# Altium PCB BW1097.PcbDoc (part 6 of 7) (continued)
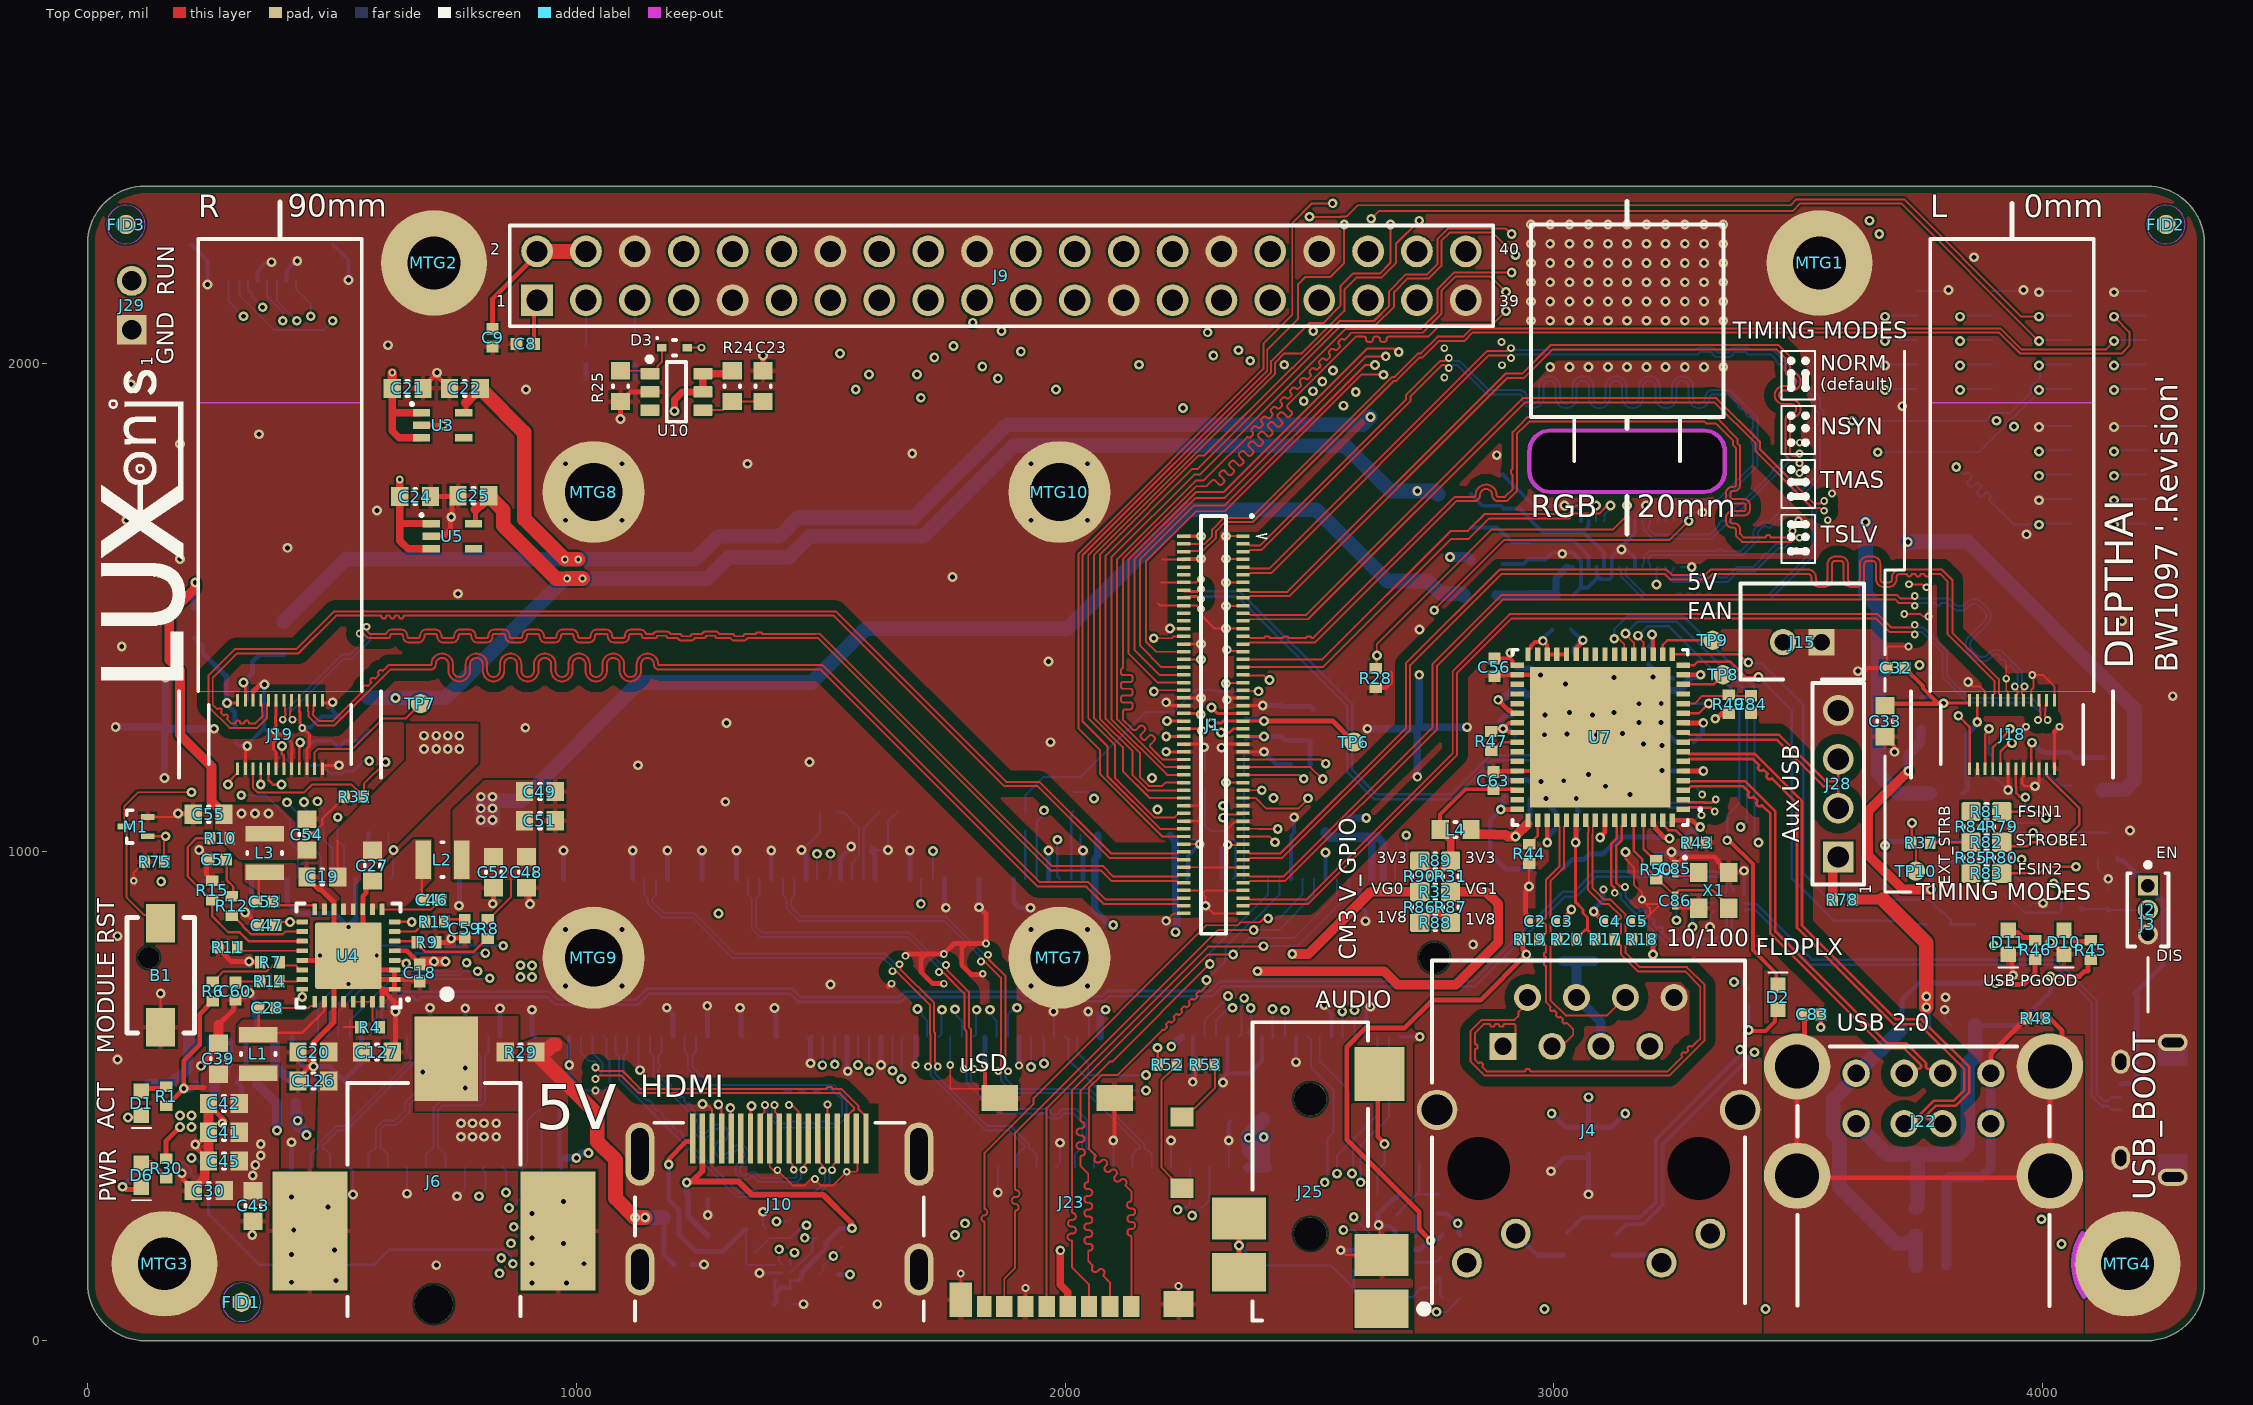
[diagram p0: Top Copper view]
## Nets (pads, with @x,y where several pads share a name; then routed paths per layer and width w, separated by ;. In a path a pad name is that pad's centre, name@x,y a point inside that pad or via, vN(x,y) a via of type N, cw(c..) or ccw(c..) an arc to the next point about the centre after c; other vN are vias at no path point) (continued)
  Bottom Copper w4: v1(4145.67,2044.88) 4148.03,2047.24 J5.6@4210.63,2047.24
UART_TX: J1.6 J5.8 | length 2291.8
  Top Copper w4: J1.6@2241.69,1614.27 2242.99,1615.57 2281.46,1615.57 2308.71,1642.83 2308.71,1656.12 2327.86,1675.26 2384.25,1675.26 2672.72,1963.74 2677.67,1963.74 2725.57,2011.64 2731.11,2011.64 2764.95,2045.48 2817.13,2045.48 2834.27,2062.61 3910.32,2062.61 3953.38,2019.56 4161.29,2019.56 4177.17,2035.43 4177.17,2063.39 v1(4145.67,2094.88)
  Bottom Copper w4: v1(4145.67,2094.88) 4148.03,2097.24 J5.8@4210.63,2097.24
USB3_LED: D10.2 R45.1 | length 62.5
  Top Copper w10: D10.2@4043.31,839.57 4065.95,816.93 R45.1@4096.46,816.93
USB4_LED: D11.2 R46.1 | length 67.8
  Top Copper w10: D11.2@3929.13,844.49 3938.11,835.51 3948.14,835.51 3958.67,824.99 3980.64,824.99 R46.1@3986.46,819.17
USB_D_N: J24.167 U6.2 | length 2982.8
  Bottom Copper w5.27: J24.167@583.79,654.76 590.47,661.44 590.47,676.59 627.35,713.47 945.47,713.47 961.38,697.56 1122.19,697.56 1144.4,719.77 1442.34,719.77 1458.92,703.2 1659.77,703.2 1670.04,713.47 1907.25,713.47 1916,704.72 2075.65,704.72 2086.3,715.37 2297.49,715.37 2317.69,735.57 2834.86,735.57 3017.5,918.2 3040.52,918.2 3082.14,959.82 3347.91,959.82 3362.79,944.94 3362.79,928.57 3366.51,924.86 U6.2@3366.51,918.2
USB_D_P: J24.165 U6.1 | length 3010.2
  Bottom Copper w5.27: J24.165@607.42,624.25 607.42,654.76 600.74,661.44 600.74,672.33 631.61,703.2 650.03,703.2 656.17,703.2 668.44,703.2 ccw(c674.44,703.2) 674.44,697.2 674.71,697.2 ccw(c674.71,703.2) 680.71,703.2 688.98,703.2 941.22,703.2 957.13,687.29 1126.44,687.29 1148.66,709.5 1438.09,709.5 1454.66,692.93 1664.03,692.93 1674.3,703.2 1903,703.2 1911.75,694.45 2079.9,694.45 2090.55,705.1 2301.75,705.1 2321.94,725.3 2839.12,725.3 3021.75,907.93 3044.77,907.93 3086.4,949.55 3181.1,949.55 3204.37,949.55 ccw(c3209.37,949.55) 3209.37,944.55 3214.64,944.55 ccw(c3214.64,949.55) 3219.64,949.55 3234.91,949.55 ccw(c3239.91,949.55) 3239.91,944.55 3245.18,944.55 ccw(c3245.18,949.55) 3250.18,949.55 3265.45,949.55 ccw(c3270.45,949.55) 3270.45,944.55 3275.72,944.55 ccw(c3275.72,949.55) 3280.72,949.55 3295.99,949.55 ccw(c3300.99,949.55) 3300.99,944.55 3306.26,944.55 ccw(c3306.26,949.55) 3311.26,949.55 3318.9,949.55 3343.65,949.55 3352.52,940.68 3352.52,917.99 U6.1@3350.76,916.23
USB_GND: C83.2 J22.Shell R48.2 | length 1307.7
  Top Copper w10: J22.Shell@3497.24,337.4 3507.04,347.2 3520.87,333.38 J22.Shell@4018.59,333.38 ; C83.2@3510.32,667.53 3512.85,665 3512.85,602.62 3497.24,587.01 J22.Shell@3497.24,561.02 3497.24,361.42 J22.Shell@3520.87,337.79 ; R48.2@4006.15,659.82 4009.82,663.49 4039.41,633.9 4039.41,594.47 4014.57,569.62 J22.Shell@4014.57,561.02 J22.Shell@4014.57,337.4 J22.Shell@4018.59,333.38 ; J22.Shell@4018.59,333.38 4039.09,312.88 4039.09,333.38 J22.Shell@4018.59,333.38
USB_OTGID: J24.168 R64.2 | length 95.3
  Bottom Copper w10: J24.168@571.98,944.72 574.26,947 574.26,1035.82 R64.2@576.53,1038.1
USB_RX_N: J1.12
USB_RX_P: J1.10
USB_TX_N: J1.24
USB_TX_P: J1.22
USBB_D_N: J21.2 U6.4 | length 1053.5
  Bottom Copper w5.27: U6.4@3388.89,895.82 3390.69,894.03 3399.48,894.03 3400.43,893.08 3414.32,893.08 3527.83,779.58 4026.71,779.58 4110.37,695.91 4110.37,504.97 4124.97,490.37 4133.09,490.37 4140.75,498.03 J21.2@4159.45,498.03
USBB_D_P: J21.3 U6.5 | length 1053.5
  Bottom Copper w5.27: U6.5@3388.89,880.07 3390.69,881.87 3399.48,881.87 3400.43,882.81 3410.06,882.81 3523.57,769.3 4022.45,769.3 4100.1,691.66 4100.1,500.71 4120.71,480.1 4133.09,480.1 4140.75,472.44 J21.3@4159.45,472.44
USBD0_N: U6.6 U7.58 | length 493.1
  Top Copper w5.27: U7.58@3124.02,1064.79 3124.02,1056.72 3128.72,1052.01 3128.72,1028.15 3116.71,1016.14 3116.71,933.55 3123.19,927.07 3123.19,917.35 v2(3124.31,916.23)
  Bottom Copper w5.27: v2(3124.31,916.23) 3125.84,914.7 3134.73,914.7 3136.36,913.06 3136.36,904.86 3230.15,811.07 3334.93,811.07 3363.77,839.92 3363.77,861.9 3364.72,862.85 3364.72,871.64 U6.6@3366.51,873.44
USBD0_P: U6.7 U7.59 | length 499
  Top Copper w5.27: U7.59@3143.7,1064.79 3143.7,1056.72 3138.99,1052.01 3138.99,1023.9 3126.98,1011.88 3126.98,937.81 3135.1,929.68 3143.98,929.68 v2(3145.52,928.15)
  Bottom Copper w5.27: v2(3145.52,928.15) 3146.64,927.03 3146.64,909.12 3172.67,883.08 3176.4,879.36 ccw(c3177.01,879.97) 3177.62,879.36 cw(c3181.96,875.02) 3186.3,879.36 cw(c3181.96,875.02) 3186.3,870.68 ccw(c3186.91,870.07) 3186.3,869.46 3193.75,862 ccw(c3194.36,862.62) 3194.97,862 cw(c3199.31,857.67) 3203.65,862 cw(c3199.31,857.67) 3203.65,853.33 ccw(c3204.26,852.72) 3203.65,852.1 3211.1,844.65 ccw(c3211.71,845.26) 3212.33,844.65 cw(c3216.66,840.31) 3221,844.65 cw(c3216.66,840.31) 3221,835.97 ccw(c3221.61,835.36) 3221,834.75 3229.07,826.69 3234.41,821.34 3240.54,821.34 3252.82,821.34 3264.22,821.34 ccw(c3264.22,822.21) 3265.09,822.21 cw(c3271.22,822.21) 3271.22,828.34 cw(c3271.22,822.21) 3277.36,822.21 ccw(c3278.22,822.21) 3278.22,821.34 3288.76,821.34 ccw(c3288.76,822.21) 3289.63,822.21 cw(c3295.76,822.21) 3295.76,828.34 cw(c3295.76,822.21) 3301.9,822.21 ccw(c3302.76,822.21) 3302.76,821.34 3330.67,821.34 3353.5,844.17 3353.5,861.9 3352.56,862.85 3352.56,871.64 U6.7@3350.76,873.44
USBD2_N: J1.18 U7.1 | length 1490
  Top Copper w5.27: J1.18@2241.69,1519.79 2243.28,1521.38 2255.71,1521.38 2256.75,1522.42 2270.05,1522.42 2274.81,1517.66 v2(2277.71,1517.66) ; U7.1@3264.17,1086.83 3272.24,1086.83 3276.95,1091.54 3302.66,1091.54 3304.16,1090.04 3320.49,1090.04 3327.66,1082.87 v2(3328.94,1082.87)
  Bottom Copper w5.27: v2(2277.71,1517.66) 2280.62,1517.66 2285.48,1522.52 2352.69,1522.52 2577.07,1298.15 2577.07,1162.95 2632.57,1107.45 2793.73,1107.45 2873.43,1187.15 3137.09,1187.15 3234.2,1090.04 3320.49,1090.04 3327.66,1082.87 v2(3328.94,1082.87)
USBD2_P: J1.16 U7.2 | length 1494.2
  Top Copper w5.27: J1.16@2241.69,1535.53 2243.49,1533.74 2255.71,1533.74 2256.75,1532.69 2269.84,1532.69 2274.81,1537.66 v2(2277.71,1537.66) ; U7.2@3264.17,1106.52 3272.24,1106.52 3276.95,1101.81 3306.92,1101.81 3308.42,1100.31 3322.5,1100.31 3329.67,1107.49 v2(3330.95,1107.49)
  Bottom Copper w5.27: v2(2277.71,1537.66) 2280.62,1537.66 2285.48,1532.8 2356.95,1532.8 2587.34,1302.4 2587.34,1167.21 2636.83,1117.72 2789.48,1117.72 2869.18,1197.42 3141.35,1197.42 3238.45,1100.31 3322.5,1100.31 3329.67,1107.49 v2(3330.95,1107.49)
USBD3_N: J22.2 U7.3 | length 929.9
  Top Copper w5.27: U7.3@3264.17,1126.2 3272.97,1126.2 3281.37,1134.61 3346.46,1134.61 3352.59,1134.61 3364.86,1134.61 3377.13,1134.61 3386.2,1134.61 3390.54,1130.27 3398.61,1122.2 cw(c3398,1121.59) 3398.61,1120.98 ccw(c3402.95,1116.64) 3398.61,1112.3 ccw(c3402.95,1116.64) 3407.28,1112.3 cw(c3407.9,1111.69) 3408.51,1112.3 3415.96,1104.85 cw(c3415.35,1104.24) 3415.96,1103.63 ccw(c3420.3,1099.29) 3415.96,1094.95 ccw(c3420.3,1099.29) 3424.64,1094.95 cw(c3425.25,1094.34) 3425.86,1094.95 3442.62,1078.19 3442.62,832.78 3677.11,598.29 3716.2,598.29 3750.77,563.72 3750.77,559.36 3747.68,556.27 3725.56,556.27 J22.2@3716.54,547.24
USBD3_P: J22.3 U7.4 | length 929.2
  Top Copper w5.27: U7.4@3264.17,1145.89 3272.24,1145.89 3274.82,1143.31 3276.39,1144.88 3390.46,1144.88 3452.89,1082.44 3452.89,837.03 3681.36,608.56 3720.46,608.56 3761.04,567.98 3761.04,559.36 3764.13,556.27 3786.25,556.27 J22.3@3795.28,547.24
USBD4_N: J22.6 U7.6 | length 1204.2
  Top Copper w5.27: U7.6@3264.17,1185.26 3272.24,1185.26 3276.95,1189.97 3370.99,1189.97 3377.12,1189.97 3389.39,1189.97 3401.66,1189.97 3406.79,1189.97 3411.13,1185.63 3419.19,1177.56 cw(c3418.58,1176.95) 3419.19,1176.34 ccw(c3423.53,1172) 3419.19,1167.66 ccw(c3423.53,1172) 3427.87,1167.66 cw(c3428.48,1167.05) 3429.09,1167.66 3436.55,1160.21 cw(c3435.94,1159.6) 3436.55,1158.99 ccw(c3440.89,1154.65) 3436.55,1150.31 ccw(c3440.89,1154.65) 3445.22,1150.31 cw(c3445.84,1149.7) 3446.45,1150.31 3489.32,1107.43 3497.11,1099.65 3497.11,845.22 3695.12,647.21 3747.71,647.21 3839.59,555.33 3839.59,513.01 3817.89,491.31 3777.25,491.31 3750.77,464.83 3750.77,456.21 3747.68,453.12 3725.56,453.12 J22.6@3716.54,444.09
USBD4_P: J22.7 U7.7 | length 1205.3
  Top Copper w5.27: U7.7@3264.17,1204.94 3272.24,1204.94 3276.95,1200.24 3411.04,1200.24 3507.38,1103.9 3507.38,849.47 3699.37,657.48 3751.97,657.48 3849.86,559.58 3849.86,508.76 3822.14,481.03 3781.5,481.03 3761.04,460.57 3761.04,456.21 3764.13,453.12 3786.25,453.12 J22.7@3795.28,444.09
USBD5_N: J28.2 U7.8 | length 401.7
  Top Copper w5.27: U7.8@3264.17,1224.63 3272.24,1224.63 3276.95,1229.34 3456.15,1229.34 3551.2,1134.29 3578.44,1134.29 3581.53,1131.2 J28.2@3581.53,1089.42
USBD5_P: J28.3 U7.9 | length 401.7
  Top Copper w5.27: U7.9@3264.17,1244.31 3272.24,1244.31 3276.95,1239.61 3460.41,1239.61 3555.46,1144.56 3578.44,1144.56 3581.53,1147.65 J28.3@3581.53,1189.42
VBUS: C77.2 C78.2 J1.53 R41.1 R42.2 | length 231.7
  Top Copper w6: J1.53@2364.92,1236.32 v1(2406.64,1236.32)
  Bottom Copper w10: R41.1@2370.08,1232.28 2372.2,1234.41 2404.73,1234.41 v1(2406.64,1236.32) ; v1@2406.85,1234.41 2408.77,1236.32 2442.96,1236.32 2442.96,1234.2 C78.2@2448.82,1228.35 C77.2@2501.12,1228.35 ; R42.2@2502.1,1179.07 2501.12,1180.05 C77.2@2501.12,1228.35 ; C77.2@2502.87,1226.6 C77.2@2501.12,1228.35
VBUS_USB3: C79.1 C80.1 J22.1 R46.2 U8.8 | length 1032.9
  Top Copper w10: v1(3903.53,731.47) 3928.6,731.47 3931.53,728.54 3960.72,728.54 3984.25,752.07 R46.2@3984.25,779.8
  Bottom Copper w10: U8.8@3711.66,644.98 3711.66,696.89 3746.24,731.47 v1(3903.53,731.47)
  Bottom Copper w30: U8.8@3707.99,635.56 3619.67,547.24 J22.1@3618.11,547.24 3618.11,540.23 3571.16,493.28 3571.16,424.65 3584.16,411.65 3584.16,314.09 3699.01,199.24 3724.83,199.24 3740.16,214.57 C80.1@3740.16,212.6 C79.1@3740.16,153.54
VBUS_USB4: C81.1 C82.1 J22.5 R45.2 U8.5 | length 943.3
  Top Copper w10: v1(4015.57,745.23) 4074.69,745.23 4085.36,755.91 4092.6,755.91 4092.6,773.7 R45.2@4098.43,779.53
  Bottom Copper w10: U8.5@3861.66,644.98 3946.3,644.98 4015.57,714.24 v1(4015.57,745.23)
  Bottom Copper w30: J22.5@3618.11,444.09 3680.32,381.89 3744.49,381.89 ; C81.1@3740.16,271.65 3742.87,274.37 3742.87,290.56 3744.49,292.17 3744.49,381.89 ; 3845.87,398.62 3829.13,381.89 3744.49,381.89 ; 3846.75,401.38 3846.75,566.69 3861.66,581.61 U8.5@3861.66,644.98
VBUSB: J2.1 J21.1 Q6.1 R39.2 | length 564.6
  Bottom Copper w10: Q6.1@4152.64,987.4 4152.64,985.23 4155.51,982.36 4163.83,982.36 J2.1@4214.99,931.2 4245.5,900.69 4245.5,768.05 4187.51,710.06 4189.47,710.06 4195.3,704.23 R39.2@4195.3,702.26 4192.31,699.28 4192.31,532.28 4186.46,526.42 4162.25,526.42 J21.1@4159.45,523.62
VC_TCK: J12.8 J24.180 | length 1429
  Signal Layer 3 w4: v1(314.42,1115.83) 314.42,1200.94 302.9,1212.46 302.9,2012.69 392.82,2102.61 434.78,2102.61 440.69,2096.7 455.86,2096.7 v1(456.69,2095.87)
  Bottom Copper w4: v1(314.42,1115.83) 314.74,1115.83 314.89,1115.68 364.28,1115.68 413.95,1066.01 413.95,1019.84 430.25,1003.54 J24.180@430.25,944.72 ; J12.8@426.57,2168.76 426.57,2151.04 456.69,2120.92 v1(456.69,2095.87)
VC_TDI: J12.3 J24.174 | length 1357.6
  Signal Layer 3 w4: v1(358.27,2114.17) 461.01,2114.17 472.69,2102.49 472.69,1109.94 470.61,1107.86 v1(470.61,1103.46)
  Bottom Copper w4: J12.3@328.14,2168.76 328.14,2151.04 335.92,2143.26 335.92,2136.52 v1(358.27,2114.17) ; v1(470.61,1103.46) 470.61,1099.3 483.23,1086.68 483.23,1025.03 501.12,1007.15 J24.174@501.12,944.72
VC_TDO: J12.5 J24.178 | length 1285.1
  Signal Layer 3 w4: v1(399.45,2086.61) 389.45,2076.61 389.45,1266.3 397.51,1258.24 397.51,1239.03 381.64,1223.16 381.64,1192.67 412.66,1161.65 412.66,1131.17 407.96,1126.46 v1(407.96,1101.38)
  Bottom Copper w4: J12.5@367.51,2168.76 367.51,2135.94 399.45,2104 v1(399.45,2086.61) ; v1(407.96,1101.38) 429.32,1080.01 429.32,1032.52 448.39,1013.45 448.39,950.2 J24.178@453.87,944.72
VC_TMS: J12.6 J24.176 | length 1283.6
  Signal Layer 3 w4: v1(428.15,2086.61) 429.45,2085.31 429.45,1266.3 425.26,1262.12 425.26,1247.79 433.46,1239.59 441.62,1239.59 451.01,1230.21 451.01,1108.59 448.18,1105.76 447.6,1105.76 443.06,1101.23 v1(443.06,1102.09)
  Bottom Copper w4: J12.6@387.2,2168.76 387.2,2127.56 v1(428.15,2086.61) ; v1(443.06,1102.09) 437.01,1096.04 464.82,1068.23 464.82,1024.87 464.57,1024.62 464.57,1003.54 475.23,992.88 475.23,992.17 477.49,989.91 J24.176@477.49,944.72
VC_TRST_N: J12.2 J24.172 | length 1425.6
  Signal Layer 3 w4: v1(501.49,2086.61) 487.49,2072.61 487.49,1314.68 485.49,1312.68 485.49,1299.43 487.49,1297.43 487.49,1095.11 500.3,1082.3 500.3,1079.15 508.58,1070.86 v1(511.81,1070.86)
  Bottom Copper w4: J12.2@308.46,2168.76 310.68,2166.54 310.68,2139.14 382.29,2067.52 482.4,2067.52 v1(501.49,2086.61) ; v1(511.81,1070.86) 511.81,1023.26 524.74,1010.33 J24.172@524.74,944.72
VDD18CORE: C72.2 C73.2 C74.2 U7.15 U7.38 | length 540.9
  Top Copper w10: v1(2885.83,1311.02) 2885.83,1310.52 2907.49,1288.86 2911.56,1288.86 2916.73,1283.68 U7.38@2924.8,1283.68 ; U7.15@3264.17,1362.42 v1(3300.08,1362.42)
  Bottom Copper w15: v1(2885.83,1311.02) 2886.79,1311.97 2894.48,1311.97 C73.2@2923.46,1340.95 2942.48,1321.93 3080.76,1321.93 3089.03,1330.2 3258.66,1330.2 3265.83,1337.36 3265.83,1342.6 3282.26,1359.04 3295.34,1359.04 3298.73,1362.42 v1(3300.08,1362.42)
VDD18ETHPLL: C75.2 L5.1 U7.48 | length 263.8
  Top Copper w10: v1(2890.97,1086.83) U7.48@2924.8,1086.83
  Bottom Copper w10: C75.2@2901.75,1114.79 2894.55,1107.58 2894.55,1093.11 2890.97,1089.54 v1(2890.97,1086.83) 2869.69,1065.55 2869.69,996.06 2900.79,964.96 L5.1@2954.72,964.96
VDD18USBPLL: C76.2 L5.2 U7.62 | length 302.9
  Top Copper w10: U7.62@3202.76,1064.79 3202.76,1056.72 3207.93,1051.54 3207.93,1047.48 3225.94,1029.46 3234.31,1029.46 v1(3236.21,1027.56)
  Bottom Copper w10: L5.2@3017.72,964.96 3037.4,984.65 3062.01,984.65 3073.43,996.06 3100.3,996.06 3134.75,1030.51 C76.2@3208.27,1030.51 3209.74,1029.03 3234.74,1029.03 v1(3236.21,1027.56)
VDD_5V: C9.2 C10.2 C18.1 C19.1 C20.1 C21.2 C24.2 C27.1 C126.1 C127.1 J1.47 J1.48 J1.49 J1.50 J1.51 J1.52 J1.54 J9.2 J9.4 J15.P2 R4.2 R24.2 R29.1 R30.2 R41.2 R67.1 R78.2 TP6.1 U1.3 U3.1 U3.3 U4.5 U4.12 U4.13 U4.28 U5.1 U5.3 U8.7 U10.5 U10.6 | length 2909.5
  Top Copper w4: 511.04,1023.38 511.04,949.59 C19.1@511.81,948.82 ; 524.82,641.61 R4.2@558.02,641.61 ; v1(2406.64,1267.82) v1@2409.11,1267.82
  Top Copper w6: v1(2206.87,1236.32) 2206.92,1236.27 J1.54@2233.74,1236.27 ; v1(2208.43,1267.82) 2208.48,1267.77 J1.50@2233.74,1267.77 ; J1.52@2242.52,1251.97 2275.58,1251.97 v1(2279.52,1248.03) ; J1.48@2242.52,1283.46 2275.27,1283.46 v1(2277.5,1281.23) ; v1(2299.21,1263.78) 2319.9,1263.78 2323.36,1267.24 ; v1(2299.21,1295.28) 2299.52,1295.28 2311.33,1283.46 J1.47@2355,1283.46 ; v1(2318.9,1244.09) 2336.33,1244.09 2344.2,1251.97 J1.51@2355,1251.97 ; 2323.36,1267.82 v1(2406.64,1267.82)
  Top Copper w10: R30.2@161.42,372.05 160.17,373.3 160.17,408.2 v1(188.98,437.01) ; U4.5@628.16,797.72 628.24,797.64 652.95,797.64 672.45,778.13 672.45,777.25 C18.1@679.66,770.05 ; C9.2@828.59,2069.29 828.59,2131.67 919.68,2222.77 J9.2@919.68,2228.35 ; v1@2409.11,1267.82 2547.57,1267.82 TP6.1@2590.76,1224.63
  Top Copper w15: C21.2@623.3,1948.13 623.3,1904.54 ; C24.2@636.06,1731.7 C24.2@638.78,1728.98 ; C24.2@638.78,1725.04 C24.2@638.78,1727.01 ; v2(638.78,1761.66) C24.2@638.78,1728.98 ; 641.73,1673.23 643.33,1671.63 692.73,1671.63 693.1,1671.26 U5.1@699.01,1671.26 ; U3.1@679.03,1898.78 U3.1@679.4,1898.41 ; U3.3@683.34,1847.22 637.03,1847.22 623.3,1860.95 623.3,1904.54 ; U3.1@683.34,1898.41 U3.1@679.4,1898.41 ; U5.1@698.85,1671.42 U5.1@699.01,1671.26 ; U5.3@702.94,1620.08 655.51,1620.08 638.78,1636.81 C24.2@638.78,1727.01 ; U5.1@702.94,1671.26 U5.1@699.01,1671.26 ; v1(1200.79,1901.57) 1200.79,1925.2 1216.54,1940.94 U10.5@1258.86,1940.94 U10.6@1258.86,1978.35 1312.99,1978.35 R24.2@1318.9,1984.25 ; 623.3,1904.54 629.44,1898.41 U3.1@679.4,1898.41 ; C24.2@638.78,1727.01 C24.2@638.78,1728.98
  Top Copper w20: C21.2@623.3,1948.13 v2(623.3,1980.32) ; C18.1@679.66,770.05 685.2,775.59 v1(708.66,775.59) v1(732.28,775.59) ; R78.2@3609.84,902.52 3673.49,902.52
  Top Copper w30: J9.2@919.68,2228.35 J9.4@1019.68,2228.35 ; 956.35,605.4 951.43,605.4 941.27,595.24 920.04,595.24 917.32,592.52 917.32,588.58 1042.94,462.96 1042.94,407.06 1080.18,369.82 1080.18,291.58 v1(1119.8,251.97) v1(1140.72,251.97) ; 3673.49,902.52 3761.66,814.34 v1(3761.66,682.28)
  Bottom Copper w10: U1.3@1179.03,251.22 1179.03,176.42 C10.2@1199.54,155.91 ; R41.2@2370.08,1271.65 2372,1269.73 2404.73,1269.73 v1(2406.64,1267.82)
  Bottom Copper w20: U8.7@3761.66,644.98 v1(3761.66,682.28) v1(3761.66,704.23)
  Bottom Copper w30: v1(1119.8,251.97) v1(1140.72,251.97) 1178.28,251.97 U1.3@1179.03,251.22
  other v1: 763.78,417.32 787.4,417.32 811.02,417.32 836.16,417.32 212.6,437.01 763.78,444.88 787.4,444.88 811.02,444.88 836.16,444.88 188.98,460.63 212.6,460.63 688.19,1210.2 713.32,1210.2 736.94,1210.2 760.56,1210.2 688.19,1237.76 713.32,1237.76 736.94,1237.76 760.56,1237.76
XI: C85.2 R50.1 U7.61 X1.1 | length 202.9
  Top Copper w5: U7.61@3183.07,1064.79 3183.07,1006.03 3205.96,983.14 R50.1@3208.82,983.14 3209.9,983.14 3236.03,957 3243.78,957 C85.2@3249.28,951.51 ; C85.2@3248.03,952.76 C85.2@3249.28,951.51 ; X1.1@3300.75,956.63 3295.62,951.51 C85.2@3249.28,951.51
XO: C86.2 R50.2 U7.60 X1.3 | length 322.2
  Top Copper w5: U7.60@3163.39,1064.79 3163.39,1002.08 3180.12,985.34 3180.12,977.09 R50.2@3212.11,945.09 ; R50.2@3208.82,943.77 3210.79,943.77 R50.2@3212.11,945.09 ; X1.3@3351.93,885.76 3342.01,895.69 3342.01,904.06 3324.21,921.85 3255.71,921.85 3248.03,914.17 3248.03,913.39 3245.93,911.28 R50.2@3212.11,945.09
pads on no net: FID1.1 FID2.1 FID3.1 FID4.1 FID5.1 FID6.1 J4.7 J6. J9.27 J9.28 J10.14 J11.16 J11.21 J11.22 J13.S1 J13.S2 J14.S1 J14.S2 J21.4 J24.93 J24.95 J24.99 J24.101 J24.105 J24.106 J24.107 J24.108 J24.112 J24.114 J24.124 J24.126 J24.128 J24.130 J24.132 J24.135 J24.136 J24.137 J24.138 J24.141 J24.142 J24.143 J24.144 J24.148 J24.150 J24.154 J24.156 J24.158 J24.160 J24.162 J24.179 J25. J25.1 U2.B1 U3.4 U5.4 U7.13 U7.23 U7.24 U7.25 U7.26 U7.31 U7.35 U7.36 U7.37 U7.42 U7.43 U7.45 U7.47 U10.3
copper on no net:
  other v4: 2755.05,783.31
  other v5: 125.13,783.31

## Polygon pours and split planes (outlines as drawn)
GND on Top Copper "GND_L01_P775" (solid, remove dead copper, pour order 775): 0,19.69 ccw(c19.69,19.69) 19.69,0 4311.02,0 ccw(c4311.02,19.69) 4330.71,19.69 4330.71,2342.52 ccw(c4311.02,2342.52) 4311.02,2362.2 19.69,2362.2 ccw(c19.69,2342.52) 0,2342.52
ETH_GND on Top Copper "ETH_GND_L01_P774" (solid, remove dead copper, pour order 774): 2715.55,781.4 3426.18,781.4 3426.18,1.97 2715.55,1.97
VDD_5V on Top Copper "VDD_5V_L01_P772" (solid, remove dead copper, pour order 772): 917.22,620.4 966.43,620.4 982.28,604.54 982.28,352.36 468.5,352.36 475.82,650.3 518.91,693.39 528.75,693.39 542.85,679.29 542.85,610.18 578.28,610.18 578.28,570.81 788.44,570.81
3V3 on Top Copper "3V3_L01_P769" (solid, remove dead copper, pour order 769): 250.2,565.11 391.04,565.11 391.04,275.59 231.67,275.59 231.67,546.58
USB_GND on Top Copper "USB_GND_L01_P773" (solid, remove dead copper, pour order 773): 3429.13,623.72 4082.28,623.72 4082.28,1.58 3433.76,1.58 3429.13,6.2
VDD_5V on Top Copper "VDD_5V_L01_P770" (solid, remove dead copper, pour order 770): 518.91,871.78 548.44,871.78 548.44,931.69 799.21,1182.47 799.21,1262.1 651.84,1262.1 651.84,1187.09 493.32,1028.57 493.32,934.65 518.91,909.05
1V05 on Top Copper "1V05_L01_P768" (solid, remove dead copper, pour order 768): 811.38,1146.69 747.57,1085.18 747.57,942.52 887.95,942.52 917.48,972.05 917.48,1146.69
1V8 on Top Copper "1V8_L01_P767" (solid, remove dead copper, pour order 767): 466.67,983.91 311.25,983.91 261.61,1033.55 261.61,1096.76 389.26,1096.76 466.67,1019.35
LX2 on Top Copper "LX2_L01_P766" (solid, remove dead copper, pour order 766): 577.97,882.37 577.97,937.09 666.86,1025.98 704.66,1025.98 704.66,942.52 644.51,882.37
LX3 on Top Copper "LX3_L01_P765" (solid, remove dead copper, pour order 765): 489.38,882.37 489.38,912.67 425.77,976.29 320.58,976.29 320.58,938.49 412.73,882.37
LX1 on Top Copper "LX1_L01_P764" (solid, remove dead copper, pour order 764): 489.38,693.39 489.38,651.31 446.09,608.02 307.58,608.02 307.58,645.81 317.87,656.11 442.26,656.11 479.54,693.39
5V_IN on Top Copper "5V_IN_L01_P771" (solid, remove dead copper, pour order 771): 669.29,663.39 880.8,663.39 880.8,469.49 669.29,469.49
GND on Signal Layer 4 "GND_L05_P793" (solid, remove dead copper, pour order 793): 0,19.69 ccw(c19.69,19.69) 19.69,0 4311.02,0 ccw(c4311.02,19.69) 4330.71,19.69 4330.71,2342.52 ccw(c4311.02,2342.52) 4311.02,2362.2 19.69,2362.2 ccw(c19.69,2342.52) 0,2342.52
ETH_GND on Signal Layer 4 "ETH_GND_L05_P792" (solid, remove dead copper, pour order 792): 2715.55,781.4 3426.18,781.4 3426.18,1.97 2715.55,1.97
USB_GND on Signal Layer 4 "USB_GND_L05_P791" (solid, remove dead copper, pour order 791): 3429.68,629.75 4082.83,629.75 4082.83,7.61 3434.3,7.61 3429.68,12.23
GND on Bottom Copper "GND_L06_P803" (solid, remove dead copper, pour order 803): 0,19.69 ccw(c19.69,19.69) 19.69,0 4311.02,0 ccw(c4311.02,19.69) 4330.71,19.69 4330.71,2342.52 ccw(c4311.02,2342.52) 4311.02,2362.2 19.69,2362.2 ccw(c19.69,2342.52) 0,2342.52
ETH_GND on Bottom Copper "ETH_GND_L06_P802" (solid, remove dead copper, pour order 802): 2715.55,781.4 3426.18,781.4 3426.18,1.97 2715.55,1.97
USB_GND on Bottom Copper "USB_GND_L06_P800" (solid, remove dead copper, pour order 800): 3429.33,629.33 4082.48,629.33 4082.48,7.19 3433.95,7.19 3429.33,11.81
1V05 on Bottom Copper "1V05_L06_P801" (solid, remove dead copper, pour order 801): 753.48,1034.98 753.48,1123.14 1071.54,1441.2 1420.17,1441.2 1557.69,1578.72 1990.13,1578.72 2181.17,1769.76 2554.25,1769.76 2752.17,1571.84 2752.17,1515.44 2731.01,1494.29 2546.39,1494.29 2461.96,1578.72 2264.74,1578.72 2030.24,1344.22 1650.2,1344.22 1523.42,1217.44 1166.86,1217.44 984.4,1034.98
3V3 on Bottom Copper "3V3_L06_P799" (solid, remove dead copper, pour order 799): 1752.17,2165.35 1752.17,1830.71 866.14,1830.71 866.14,2164.85 964.57,2164.85 964.57,1983.07 1186.16,1983.07 1186.16,2072.61 1673.23,2072.61 1673.23,2169.29
CM_VBAT on Bottom Copper "CM_VBAT_L06_P797" (solid, remove dead copper, pour order 797): 198.36,621.89 198.36,581.53 236.94,581.53 236.94,621.89 236.94,892.56 225.13,904.37 225.13,944.72 186.55,944.72 186.55,633.7
VDD_5V on Bottom Copper "VDD_5V_L06_P795" (solid, remove dead copper, pour order 795): 194.07,499.02 213.58,479.51 224.41,468.68 224.41,425.2 156.23,425.2 156.23,499.02
CM_1V8 on Bottom Copper "CM_1V8_L06_P796" (solid, remove dead copper, pour order 796): 351.9,944.72 351.9,674.05 363.71,662.24 363.71,581.53 402.3,581.53 402.3,892.56 390.49,904.37 390.49,944.72
CM_3V3 on Bottom Copper "CM_3V3_L06_P798" (solid, remove dead copper, pour order 798): 257.42,947.09 259.78,944.72 319.62,944.72 319.62,680.71 307.81,668.9 307.81,581.53 269.23,581.53 269.23,668.9 257.41,680.71
GND on Signal Layer 3 "GND_L04_P790" (solid, remove dead copper, pour order 790): 0,19.69 ccw(c19.69,19.69) 19.69,0 4311.02,0 ccw(c4311.02,19.69) 4330.71,19.69 4330.71,2342.52 ccw(c4311.02,2342.52) 4311.02,2362.2 19.69,2362.2 ccw(c19.69,2342.52) 0,2342.52
3V3 on Signal Layer 3 "3V3_L04_P789" (solid, remove dead copper, pour order 789): 3283.46,1456.79 2750.39,1456.79 2603.48,1309.88 2603.48,237.42 2766.49,74.41 2766.88,74.8 3410.14,74.8 3410.14,1384.4 3339.57,1454.97
3V3_VDDA on Signal Layer 3 "3V3_VDDA_L04_P787" (solid, remove dead copper, pour order 787): 3316.38,1299.24 3316.38,925.84 3176.38,731.47 2895.87,737.88 2834.64,799.1 2834.64,1048.23 3085.66,1299.24
1V8 on Signal Layer 3 "1V8_L04_P786" (solid, remove dead copper, pour order 786): 390.06,1096.76 429.32,1057.5 429.32,995.21 158.42,724.31 158.42,387.06 468.48,387.06 484.25,371.29 484.25,309.66 413.57,238.97 75.99,238.97 47.24,267.72 47.24,882.39 261.61,1096.76
VDD_5V on Signal Layer 3 "VDD_5V_L04_P788" (solid, remove dead copper, pour order 788): 658.66,1266.3 867.28,1266.3 866.88,662.24 866.88,388.53 157.48,388.53 157.48,719.98
3V3 on Signal Layer 3 "3V3_L04_P785" (solid, remove dead copper, pour order 785): 899.96,725.7 964.57,790.3 964.57,2173.23 870.22,2173.23 865.75,2168.76 866.88,2167.63 866.88,725.7
GND on Signal Layer 2 "GND_L03_P782" (solid, remove dead copper, pour order 782): 0,19.69 ccw(c19.69,19.69) 19.69,0 4311.02,0 ccw(c4311.02,19.69) 4330.71,19.69 4330.71,2342.52 ccw(c4311.02,2342.52) 4311.02,2362.2 19.69,2362.2 ccw(c19.69,2342.52) 0,2342.52
VDD_5V on Signal Layer 2 "VDD_5V_L03_P781" (solid, remove dead copper, pour order 781): 475.23,992.52 475.23,2279.53 4252.95,2279.53 4252.95,570.87 3449.22,570.87 3449.22,981.51
3V3 on Signal Layer 2 "3V3_L03_P780" (solid, remove dead copper, pour order 780): 780.87,731.99 841.68,792.8 961.75,792.8 961.75,732.61 2400.36,737.54 2539.32,1000 3442.47,1000 3442.47,59.06 486.09,59.06 318.9,226.24 318.9,730.4
1V8 on Signal Layer 2 "1V8_L03_P779" (solid, remove dead copper, pour order 779): 212.6,1095.32 212.6,863.81 293.1,783.31 2755.05,783.31 2792.64,820.9 2792.64,914.25 2712.8,994.09 2709.75,991.04 476.36,991.04 398.77,1068.63 398.77,1111.99 381.07,1129.68 246.16,1129.68 213.24,1096.76
GPIO0-27_VREF on Signal Layer 2 "GPIO0-27_VREF_L03_P778" (solid, remove dead copper, pour order 778): 2165.35,866.14 2232.28,799.21 2314.96,799.21 2346.46,767.72 2401.57,767.72 2401.57,748.03 2393.7,740.16 2334.65,740.16 2192.91,598.43 2212.6,578.74 2429.13,578.74 2484.25,633.86 2480.32,637.8 2480.32,885.83 2165.35,885.83
GPIO28-45_VREF on Signal Layer 2 "GPIO28-45_VREF_L03_P777" (solid, remove dead copper, pour order 777): 2401.57,767.72 2401.57,748.03 2389.76,736.22 2366.14,736.22 2291.34,661.42 2066.93,661.42 2066.93,866.14 2165.35,866.14 2232.28,799.21 2314.96,799.21 2346.46,767.72
GND on Signal Layer 1 "GND_L02_P776" (solid, remove dead copper, pour order 776): 0,19.69 ccw(c19.69,19.69) 19.69,0 4311.02,0 ccw(c4311.02,19.69) 4330.71,19.69 4330.71,2342.52 ccw(c4311.02,2342.52) 4311.02,2362.2 19.69,2362.2 ccw(c19.69,2342.52) 0,2342.52

## Keep-outs
Top Copper:
  lines w10: 4081.53,219.84 ccw(c4173.23,157.48) 4084.6,90.83
Bottom Copper:
  lines w10: 4081.53,219.84 ccw(c4173.23,157.48) 4084.6,90.83

## Other copper
Bottom Copper:
  pour cut-out: 4272.88,2608.68

## Silkscreen, mask and mechanical layers (free items; w line width, h text height)
Top Overlay:
  drawing of 65 lines, arcs and shapes, not listed
  text "90mm" at 409.2,2284.06 h78.74
  text "R" at 226.38,2283.46 h78.74
  text "L" at 3769.69,2283.46 h78.74
  text "0mm" at 3960.63,2283.46 h78.74
  text "RUN" at 188.98,2137.6 h59.06 r90
  text "TIMING MODES" at 3365.49,2038 h59.06
  text "GND" at 187.97,1996.06 h59.06 r90
  text "NORM" at 3544.56,1973.1 h55.12
  text "(default)" at 3544.56,1935.69 h43.31
  text "NSYN" at 3545.07,1842.19 h59.06
  text "TMAS" at 3545.07,1732.94 h59.06
  text "RGB" at 2952.76,1669.41 h78.74
  text "20mm" at 3169.29,1669.41 h78.74
  text "TSLV" at 3546.05,1620.73 h59.06
  text "5V  / FAN" at 3272.24,1464.51 h59.06
  text "DEPTHAI" at 4204.72,1374.02 h100 r90
  text "BW1097 '.Revision'" at 4291.34,1366.14 h78.74 r90
  text "FSIN1" at 3948.82,1062.99 h39.37
  text "Aux USB" at 3512.85,1018.98 h59.06 r90
  text "STROBE1" at 3944.88,1003.94 h39.37
  text "EN" at 4232.28,978.36 h39.37
  text "3V3" at 2637.8,968.5 h39.37
  text "3V3" at 2818.9,968.5 h39.37
  text "FSIN2" at 3948.82,944.88 h39.37
  text "EXT_STRB" at 3818.9,933.07 h39.37 r90
  text "VG0" at 2625.98,905.51 h39.37
  text "VG1" at 2818.9,905.51 h39.37
  text "TIMING MODES" at 3741.47,889.72 h59.06
  text "1V8" at 2637.8,846.46 h39.37
  text "1V8" at 2818.9,842.52 h39.37
  text "10/100" at 3230.11,794.6 h60
  text "CM3 V_GPIO" at 2606.3,779.53 h59.06 r90
  text "FLDPLX" at 3412.49,776.2 h60
  text "DIS" at 4232.28,768.14 h39.37
  text "USB PGOOD" at 3877.95,716.54 h39.37
  text "AUDIO" at 2511.81,669.29 h60
  text "USB 2.0" at 3578.74,622.05 h60
  text "MODULE RST" at 66.93,586.56 h60 r90
  text "uSD" at 1784.19,539.14 h60
  text "HDMI" at 1130.46,483.15 h78.74
  text "ACT" at 66.93,433.07 h60 r90
  text "5V" at 917.32,401.57 h157.48
  text "USB_BOOT" at 4245.5,287.4 h78.74 r90
  text "PWR" at 70.87,283.46 h60 r90